# KiCad board C816Classic.kicad_pcb
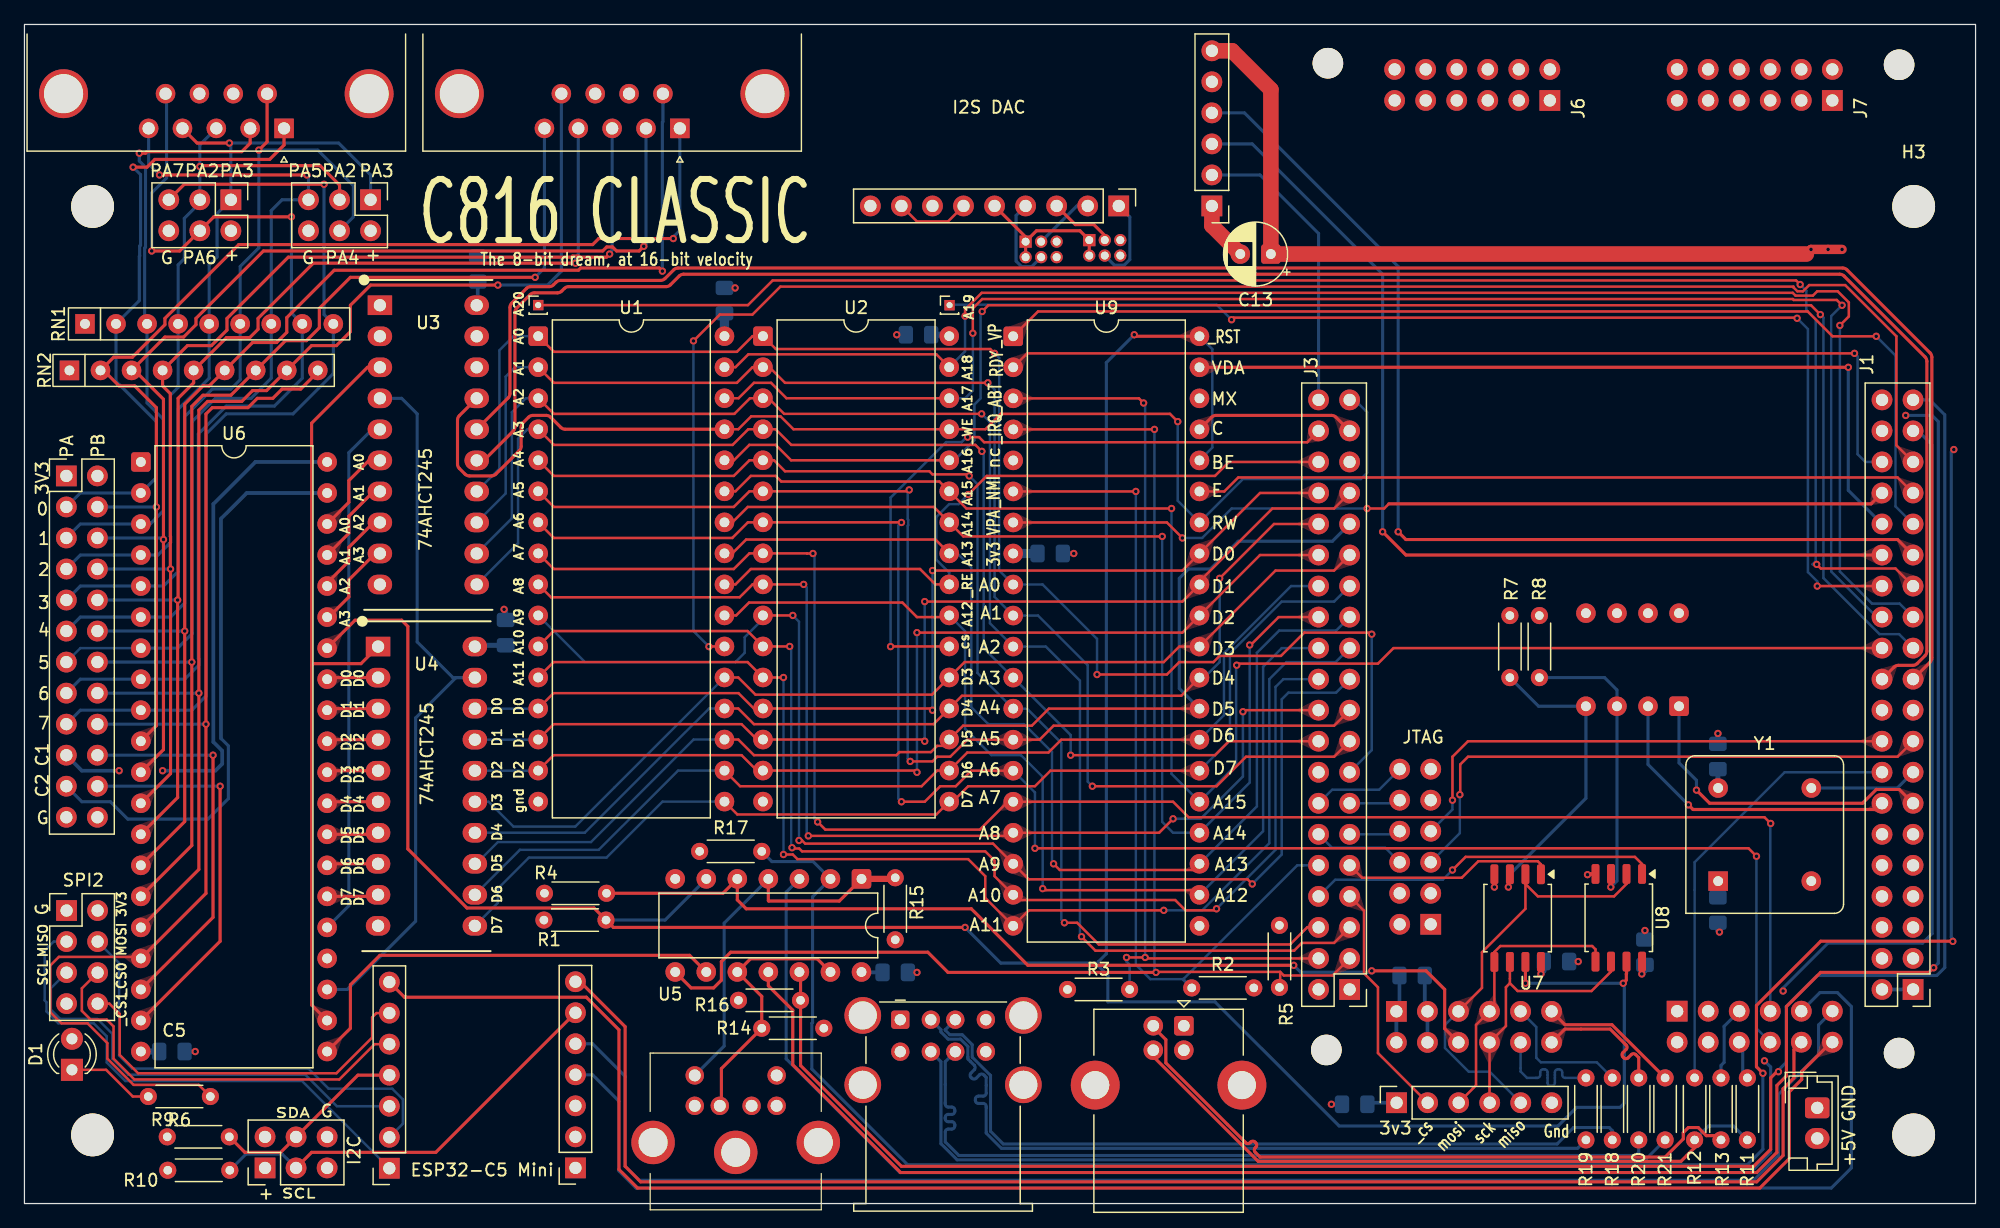
[diagram p0: board, top side]
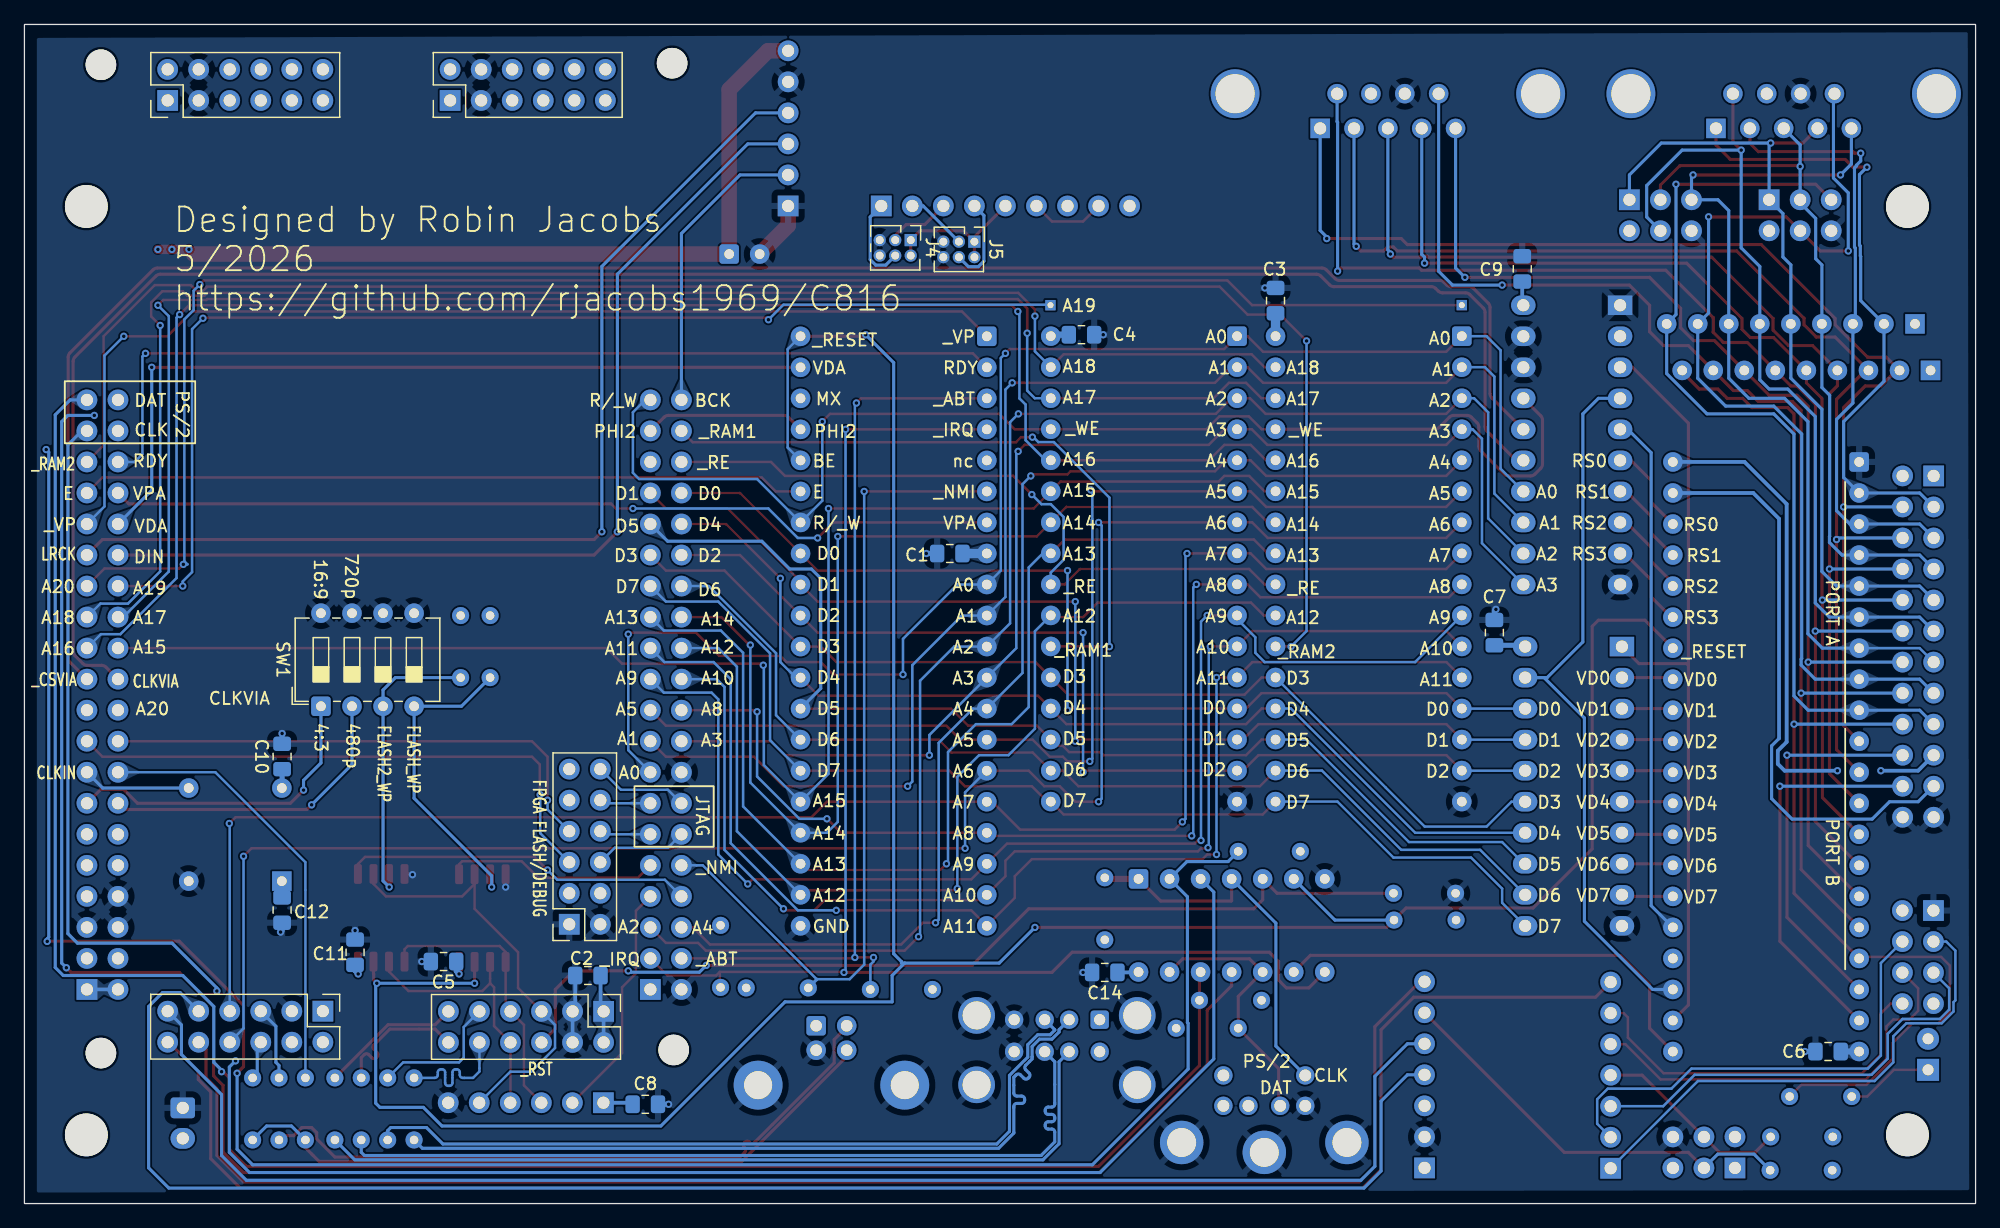
[diagram p1: board, bottom side, seen from below]

Outline 159.64 x 96.52 mm; copper layers: Top, In1.Cu, In2.Cu, Bottom. Coordinates in mm from the lower left corner of the outline.
Outline path: rectangle 0,96.52 159.64,0
Stack: Top 0.035mm / dielectric 0.1mm FR4 er 4.5 / In1.Cu 0.035mm / dielectric 1.24mm FR4 er 4.5 / In2.Cu 0.035mm / dielectric 0.1mm FR4 er 4.5 / Bottom 0.035mm

## Placement (name value [footprint] x y rotation side)
C1  100n  [C_0805_2012Metric_Pad1.18x1.45mm_HandSolder]  83.93 53.21 0 bottom
C2  100n  [C_0805_2012Metric_Pad1.18x1.45mm_HandSolder]  113.54 18.67 0 bottom
C3  100n  [C_0805_2012Metric_Pad1.18x1.45mm_HandSolder]  57.28 73.91 90 bottom
C4  100n  [C_0805_2012Metric_Pad1.18x1.45mm_HandSolder]  73.15 71.12 180 bottom
C5  100n  [C_0805_2012Metric_Pad1.18x1.45mm_HandSolder]  125.35 19.81 0 bottom
C6  100n  [C_0805_2012Metric_Pad1.18x1.45mm_HandSolder]  12.06 12.45 0 bottom
C7  100n  [C_0805_2012Metric_Pad1.18x1.45mm_HandSolder]  39.37 46.74 90 bottom
C8  100n  [C_0805_2012Metric_Pad1.18x1.45mm_HandSolder]  108.84 8.13 180 bottom
C9  100n  [C_0805_2012Metric_Pad1.18x1.45mm_HandSolder]  37.09 76.51 90 bottom
C10  100n  [C_0805_2012Metric_Pad1.18x1.45mm_HandSolder]  138.56 36.6 90 bottom
C11  100n  [C_0805_2012Metric_Pad1.18x1.45mm_HandSolder]  132.59 20.57 90 bottom
C12  100n  [C_0805_2012Metric_Pad1.18x1.45mm_HandSolder]  138.56 24.02 270 bottom
C13  C_Polarized  [CP_Radial_D5.0mm_P2.50mm]  101.98 77.72 180 top
C14  100n  [C_0805_2012Metric_Pad1.18x1.45mm_HandSolder]  71.25 18.92 0 bottom
D1  LED  [LED_D3.0mm_FlatTop]  3.89 10.95 90 top
H1  MountingHole  [MountingHole_3.5mm]  154.57 5.62 0 top
H2  MountingHole  [MountingHole_3.5mm]  5.58 81.62 0 top
H3  MountingHole  [MountingHole_3.5mm]  154.57 81.62 0 top
H4  MountingHole  [MountingHole_2.5mm]  106.52 12.57 90 top
H5  MountingHole  [MountingHole_2.5mm]  106.65 93.35 90 top
H6  MountingHole  [MountingHole_2.5mm]  153.38 12.32 90 top
H7  MountingHole  [MountingHole_2.5mm]  153.38 93.22 90 top
H8  MountingHole  [MountingHole_3.5mm]  5.58 5.62 0 top
J1  Conn_02x20_Odd_Even  [PinHeader_2x20_P2.54mm_Vertical]  154.53 17.53 180 top
J2  Conn_02x06_Odd_Even  [PinHeader_2x06_P2.54mm_Vertical]  112.25 15.73 270 bottom
J3  Conn_02x20_Odd_Even  [PinHeader_2x20_P2.54mm_Vertical]  108.43 17.53 180 top
J4  Conn_02x03_Odd_Even  [PinHeader_2x03_P1.27mm_Vertical]  87.12 78.87 270 bottom
J5  Conn_02x03_Odd_Even  [PinHeader_2x03_P1.27mm_Vertical]  81.92 78.74 270 bottom
J6  Conn_02x06_Odd_Even  [PinHeader_2x06_P2.54mm_Vertical]  124.81 90.3 90 bottom
J7  Conn_02x06_Odd_Even  [PinHeader_2x06_P2.54mm_Vertical]  147.92 90.3 90 bottom
J8  Conn_02x06_Odd_Even  [PinHeader_2x06_P2.54mm_Vertical]  135.22 15.75 270 bottom
J9  Conn_01x06_Socket  [PinHeader_1x06_P2.54mm_Vertical]  97.16 81.66 180 top
J10  Conn_01x09_Socket  [PinHeader_1x09_P2.54mm_Vertical]  89.54 81.66 270 top
J11  Conn_01x01_Pin  [PinHeader_1x01_P1.00mm_Vertical]  75.69 73.54 0 top
J12  Conn_01x01_Pin  [PinHeader_1x01_P1.00mm_Vertical]  42.04 73.54 0 top
J13  Conn_01x02  [JST_EH_B2B-EH-A_1x02_P2.50mm_Vertical]  146.69 7.83 270 top
J14  Conn_01x06_Pin  [PinSocket_1x06_P2.54mm_Vertical]  112.27 8.25 90 top
J15  Conn_02x12_Odd_Even  [PinHeader_2x12_P2.54mm_Vertical]  3.43 59.56 0 top
J16  Conn_01x07_Pin  [PinSocket_1x07_P2.54mm_Vertical]  29.86 2.89 180 top
J17  USB_B  [USB_B_Lumberg_2411_02_Horizontal]  94.86 14.55 270 top
J18  Conn_02x03_Odd_Even  [PinHeader_2x03_P2.54mm_Vertical]  19.69 2.92 90 top
J19  Conn_02x04_Odd_Even  [PinHeader_2x04_P2.54mm_Vertical]  3.45 23.99 0 top
J20  Conn_01x07_Pin  [PinSocket_1x07_P2.54mm_Vertical]  45.08 2.92 180 top
J21  Conn_02x03_Odd_Even  [PinHeader_2x03_P2.54mm_Vertical]  28.32 82.17 270 top
J22  Conn_02x03_Odd_Even  [PinHeader_2x03_P2.54mm_Vertical]  16.89 82.17 270 top
J23  DE9_Pins  [DSUB-9_Pins_Horizontal_P2.77x2.84mm_EdgePinOffset4.94mm_Housed_MountingHolesOffset4.94mm]  21.24 88.01 180 top
J24  DE9_Pins  [DSUB-9_Pins_Horizontal_P2.77x2.84mm_EdgePinOffset4.94mm_Housed_MountingHolesOffset4.94mm]  53.63 88.01 180 top
J25  5749265-1  [57492651]  56.89 8 180 top  (not fitted)
J26  Conn_02x06_Odd_Even  [PinSocket_2x06_P2.54mm_Vertical]  115.06 22.86 0 bottom
J27  USB_A_Stacked  [USB_A_Wuerth_61400826021_Horizontal_Stacked]  71.66 15.05 0 top
R1  10k  [R_Axial_DIN0204_L3.6mm_D1.6mm_P5.08mm_Horizontal]  47.63 25.4 180 top
R2  10k  [R_Axial_DIN0204_L3.6mm_D1.6mm_P5.08mm_Horizontal]  95.5 17.65 0 top
R3  10k  [R_Axial_DIN0204_L3.6mm_D1.6mm_P5.08mm_Horizontal]  90.42 17.53 180 top
R4  10k  [R_Axial_DIN0204_L3.6mm_D1.6mm_P5.08mm_Horizontal]  42.5 23.21 0 top
R5  10k  [R_Axial_DIN0204_L3.6mm_D1.6mm_P5.08mm_Horizontal]  102.68 22.77 270 top
R6  330  [R_Axial_DIN0204_L3.6mm_D1.6mm_P5.08mm_Horizontal]  15.21 8.76 180 top
R7  10k  [R_Axial_DIN0204_L3.6mm_D1.6mm_P5.08mm_Horizontal]  121.54 48.13 270 top
R8  10k  [R_Axial_DIN0204_L3.6mm_D1.6mm_P5.08mm_Horizontal]  123.95 48.13 270 top
R9  1k  [R_Axial_DIN0204_L3.6mm_D1.6mm_P5.08mm_Horizontal]  16.76 5.46 180 top
R10  1k  [R_Axial_DIN0204_L3.6mm_D1.6mm_P5.08mm_Horizontal]  16.81 2.73 180 top
R11  33  [R_Axial_DIN0204_L3.6mm_D1.6mm_P5.08mm_Horizontal]  140.97 10.29 270 top
R12  1K5  [R_Axial_DIN0204_L3.6mm_D1.6mm_P5.08mm_Horizontal]  136.65 10.29 270 top
R13  33  [R_Axial_DIN0204_L3.6mm_D1.6mm_P5.08mm_Horizontal]  138.81 10.29 270 top
R14  3k3  [R_Axial_DIN0204_L3.6mm_D1.6mm_P5.08mm_Horizontal]  60.33 14.35 0 top
R15  3k3  [R_Axial_DIN0204_L3.6mm_D1.6mm_P5.08mm_Horizontal]  71.25 21.59 90 top
R16  1k  [R_Axial_DIN0204_L3.6mm_D1.6mm_P5.08mm_Horizontal]  63.5 16.64 180 top
R17  1k  [R_Axial_DIN0204_L3.6mm_D1.6mm_P5.08mm_Horizontal]  55.24 28.83 0 top
R18  33  [R_Axial_DIN0204_L3.6mm_D1.6mm_P5.08mm_Horizontal]  129.92 10.29 270 top
R19  33  [R_Axial_DIN0204_L3.6mm_D1.6mm_P5.08mm_Horizontal]  127.76 10.29 270 top
R20  33  [R_Axial_DIN0204_L3.6mm_D1.6mm_P5.08mm_Horizontal]  132.08 10.29 270 top
R21  33  [R_Axial_DIN0204_L3.6mm_D1.6mm_P5.08mm_Horizontal]  134.24 10.29 270 top
RN1  R_Network08  [R_Array_SIP9]  4.95 72.01 0 top
RN2  R_Network08  [R_Array_SIP9]  3.68 68.2 0 top
SW1  SW_DIP_x04  [SW_DIP_SPSTx04_Slide_6.7x11.72mm_W7.62mm_P2.54mm_LowProfile]  135.38 40.71 90 bottom
U1  AS6C4008-55PCN  [DIP-32_W15.24mm]  42.04 71 0 top
U2  AS6C4008-55PCN  [DIP-32_W15.24mm]  60.43 71 0 top
U3  74AHCT245  [DIP-20_TI-N]  33.04 62.1 270 top
U4  74AHCT245  [DIP-20_TI-N]  32.89 34.16 270 top
U5  SN74LS07N  [DIP-14_W7.62mm]  68.49 26.58 270 top
U6  W65C22NxP  [DIP-40_W15.24mm]  9.53 60.71 0 top
U7  W25Q128JVS  [SOIC-8_5.3x5.3mm_P1.27mm]  122.17 23.37 270 top
U8  W25Q128JVS  [SOIC-8_5.3x5.3mm_P1.27mm]  130.45 23.39 270 top
U9  W65C816SxP  [DIP-40_W15.24mm]  80.9 70.99 0 top
Y1  CXO_DIP8  [Oscillator_DIP-8]  138.58 26.4 0 top

## Library data of the parts
C1-C12 C14 = -: Description: Unpolarized capacitor; KiLib_Generator: SMD_2terminal_chip_molded; ki_fp_filters: C_*
C13 = -: Description: Polarized capacitor; KiLib_Generator: capacitor/THT/other; ki_fp_filters: CP_*
D1 = -: Description: Light emitting diode; KiLib_Generator: LED/THT; Sim.Pins: 1=K 2=A; ki_fp_filters: LED* LED_SMD:* LED_THT:*
H1-H8 = -: Description: Mounting Hole without connection; KiLib_Generator: mounting_hardware/mounting_hole; ki_fp_filters: MountingHole*
J1 J3 = -: Description: Generic connector, double row, 02x20, odd/even pin numbering scheme (row 1 odd numbers, row 2 even numbers), script generated (kicad-library-utils/schlib/autogen/connector/); KiLib_Generator: connector/pin_header_socket; ki_fp_filters: Connector*:*_2x??_*
J2 J6-J8 J26 = -: Description: Generic connector, double row, 02x06, odd/even pin numbering scheme (row 1 odd numbers, row 2 even numbers), script generated (kicad-library-utils/schlib/autogen/connector/); KiLib_Generator: connector/pin_header_socket; ki_fp_filters: Connector*:*_2x??_*
J4 J5 J18 J21 J22 = -: Description: Generic connector, double row, 02x03, odd/even pin numbering scheme (row 1 odd numbers, row 2 even numbers), script generated (kicad-library-utils/schlib/autogen/connector/); KiLib_Generator: connector/pin_header_socket; ki_fp_filters: Connector*:*_2x??_*
J9 J14 = -: Description: Generic connector, single row, 01x06, script generated; KiLib_Generator: connector/pin_header_socket; ki_fp_filters: Connector*:*_1x??_*
J10 = -: Description: Generic connector, single row, 01x09, script generated; KiLib_Generator: connector/pin_header_socket; ki_fp_filters: Connector*:*_1x??_*
J11 J12 = -: Description: Generic connector, single row, 01x01, script generated; KiLib_Generator: connector/pin_header_socket; ki_fp_filters: Connector*:*_1x??_*
J13 = -: Description: Generic connector, single row, 01x02, script generated (kicad-library-utils/schlib/autogen/connector/); KiLib_Generator: connector/JST; ki_fp_filters: Connector*:*_1x??_*
J15 = -: Description: Generic connector, double row, 02x12, odd/even pin numbering scheme (row 1 odd numbers, row 2 even numbers), script generated (kicad-library-utils/schlib/autogen/connector/); KiLib_Generator: connector/pin_header_socket; ki_fp_filters: Connector*:*_2x??_*
J16 J20 = -: Description: Generic connector, single row, 01x07, script generated; KiLib_Generator: connector/pin_header_socket; ki_fp_filters: Connector*:*_1x??_*
J17 = -: Description: USB Type B connector; ki_fp_filters: USB*
J19 = -: Description: Generic connector, double row, 02x04, odd/even pin numbering scheme (row 1 odd numbers, row 2 even numbers), script generated (kicad-library-utils/schlib/autogen/connector/); KiLib_Generator: connector/pin_header_socket; ki_fp_filters: Connector*:*_2x??_*
J23 J24 = -: Description: 9-pin D-SUB connector, pins (male); KiLib_Generator: connector/D_sub; ki_fp_filters: DSUB*Pins*
J25 = -: Datasheet: https://www.te.com/commerce/DocumentDelivery/DDEController?Action=showdoc&DocId=Customer+Drawing%7F5749265%7FP%7Fpdf%7FEnglish%7FENG_CD_5749265_P.pdf%7F5749265-1; Description: Body Features: Shield Plating Finish Bright | Primary Product Color Black | Shield Plating Material Tin | Shield Material Copper Alloy | Panel Ground Feature Type None | Configuration Features: Number of Positions 6 | PCB Mount Orientation Right Angle | Connector Contact Load Condition Fully Loaded | Contact Features: Contact Base Material Copper Alloy | Contact Underplating Material Thickness 50 MICIN | Contact Underplating Material Nickel | PCB Contact Termination Area Plating Material Thickness 3.05 MICM; Height: 13; Mouser Part Number: 571-5749265-1; Mouser Price/Stock: https://www.mouser.co.uk/ProductDetail/TE-Connectivity/5749265-1?qs=XlZqES4cpWYElOV%2FYDAlWw%3D%3D; Manufacturer_Name: TE Connectivity
J27 = -: Description: USB Type A connector, stacked; ki_fp_filters: USB*
R1-R21 = -: Description: Resistor; KiLib_Generator: resistor/THT; ki_fp_filters: R_*
RN1 RN2 = -: Datasheet: http://www.vishay.com/docs/31509/csc.pdf; Description: 8 resistor network, star topology, bussed resistors, small symbol; KiLib_Generator: resistor/array_SIP_THT; ki_fp_filters: R?Array?SIP*
SW1 = -: Description: 4x DIP Switch, Single Pole Single Throw (SPST) switch, small symbol; KiLib_Generator: button_switch/DIP; ki_fp_filters: SW?DIP?x4*
U1 U2 = -: Datasheet: https://www.alliancememory.com/wp-content/uploads/pdf/AS6C4008.pdf; Description: 512K x 8 Low Power CMOS RAM, DIP-32; KiLib_Generator: package/DIP/legacy; ki_fp_filters: DIP*W15.24mm*
U3 U4 = -: Datasheet: http://www.ti.com/lit/gpn/sn74HC245; Description: Octal BUS Transceivers, 3-State outputs; ki_fp_filters: DIP?20*
U5 = -: Datasheet: www.ti.com/lit/ds/symlink/sn74ls07.pdf; Description: Hex Buffers and Drivers With Open Collector High Voltage Outputs; KiLib_Generator: package/DIP/legacy; ki_fp_filters: SOIC*3.9x8.7mm*P1.27mm* TSSOP*4.4x5mm*P0.65mm* DIP*W7.62mm*
U6 = -: Datasheet: http://www.westerndesigncenter.com/wdc/documentation/w65c22.pdf; Description: CMOS Versatile Interface Adapter (VIA), 20-pin I/O, 2 Timer/Counters, NMOS-Compatible, DIP-40; KiLib_Generator: package/DIP/legacy; ki_fp_filters: DIP*W15.24mm*
U7 U8 = -: Datasheet: https://www.winbond.com/resource-files/w25q128jv_dtr%20revc%2003272018%20plus.pdf; Description: 128Mbit / 16MiB Serial Flash Memory, Standard/Dual/Quad SPI, 2.7-3.6V, SOIC-8; KiLib_Generator: package/gullwing; ki_fp_filters: *SOIC*5.3x5.3mm*P1.27mm*
U9 = -: Datasheet: http://www.westerndesigncenter.com/wdc/documentation/w65c816s.pdf; Description: 8/16-bit CMOS General Purpose Microprocessor, DIP-40; KiLib_Generator: package/DIP/legacy; ki_fp_filters: DIP*W15.24mm*
Y1 = -: Datasheet: http://cdn-reichelt.de/documents/datenblatt/B400/OSZI.pdf; Description: Crystal Clock Oscillator, DIP8-style metal package; ki_fp_filters: Oscillator*DIP*8*

## Footprints (pads in the part's own frame, mm; a bottom-side part is the same pattern mirrored in y, then rotated)
57492651
  round 1.509 hole 0.97: 1(0,0) 2(-2.6,0) 3(2.05,0) 4(-4.65,0) 5(2.05,-2.49) 6(-4.65,-2.49)
  round 3.555 hole 2.37: 7(-1.3,3.81) 8(-8.06,3) 9(5.46,3)
C_0805_2012Metric_Pad1.18x1.45mm_HandSolder
  rrect 1.175x1.45 smd: 1(-1.038,0) 2(1.038,0)
CP_Radial_D5.0mm_P2.50mm
  rrect 1.6x1.6 hole 0.8: 1(0,0)
  round 1.6 hole 0.8: 2(2.5,0)
DIP-14_W7.62mm
  rrect 1.6x1.6 hole 0.8: 1(0,0)
  round 1.6 hole 0.8: 2(0,-2.54) 3(0,-5.08) 4(0,-7.62) 5(0,-10.16) 6(0,-12.7) 7(0,-15.24) 8(7.62,-15.24) 9(7.62,-12.7) 10(7.62,-10.16) 11(7.62,-7.62) 12(7.62,-5.08) 13(7.62,-2.54) 14(7.62,0)
DIP-20_TI-N
  rect 1.6x2 hole 1: 1(-11.43,-3.96)
  oval 1.6x2 hole 1: 2(-8.89,-3.96) 3(-6.35,-3.96) 4(-3.81,-3.96) 5(-1.27,-3.96) 6(1.27,-3.96) 7(3.81,-3.96) 8(6.35,-3.96) 9(8.89,-3.96) 10(11.43,-3.96) 11(11.43,3.96) 12(8.89,3.96) 13(6.35,3.96) 14(3.81,3.96) 15(1.27,3.96) 16(-1.27,3.96) 17(-3.81,3.96) 18(-6.35,3.96) 19(-8.89,3.96) 20(-11.43,3.96)
DIP-32_W15.24mm
  rrect 1.6x1.6 hole 0.8: 1(0,0)
  round 1.6 hole 0.8: 2(0,-2.54) 3(0,-5.08) 4(0,-7.62) 5(0,-10.16) 6(0,-12.7) 7(0,-15.24) 8(0,-17.78) 9(0,-20.32) 10(0,-22.86) 11(0,-25.4) 12(0,-27.94) 13(0,-30.48) 14(0,-33.02) 15(0,-35.56) 16(0,-38.1) 17(15.24,-38.1) 18(15.24,-35.56) 19(15.24,-33.02) 20(15.24,-30.48) 21(15.24,-27.94) 22(15.24,-25.4) 23(15.24,-22.86) 24(15.24,-20.32) 25(15.24,-17.78) 26(15.24,-15.24) 27(15.24,-12.7) 28(15.24,-10.16) 29(15.24,-7.62) 30(15.24,-5.08) 31(15.24,-2.54) 32(15.24,0)
DIP-40_W15.24mm
  rrect 1.6x1.6 hole 0.8: 1(0,0)
  round 1.6 hole 0.8: 2(0,-2.54) 3(0,-5.08) 4(0,-7.62) 5(0,-10.16) 6(0,-12.7) 7(0,-15.24) 8(0,-17.78) 9(0,-20.32) 10(0,-22.86) 11(0,-25.4) 12(0,-27.94) 13(0,-30.48) 14(0,-33.02) 15(0,-35.56) 16(0,-38.1) 17(0,-40.64) 18(0,-43.18) 19(0,-45.72) 20(0,-48.26) 21(15.24,-48.26) 22(15.24,-45.72) 23(15.24,-43.18) 24(15.24,-40.64) 25(15.24,-38.1) 26(15.24,-35.56) 27(15.24,-33.02) 28(15.24,-30.48) 29(15.24,-27.94) 30(15.24,-25.4) 31(15.24,-22.86) 32(15.24,-20.32) 33(15.24,-17.78) 34(15.24,-15.24) 35(15.24,-12.7) 36(15.24,-10.16) 37(15.24,-7.62) 38(15.24,-5.08) 39(15.24,-2.54) 40(15.24,0)
DSUB-9_Pins_Horizontal_P2.77x2.84mm_EdgePinOffset4.94mm_Housed_MountingHolesOffset4.94mm
  rect 1.6x1.6 hole 1: 1(0,0)
  round 1.6 hole 1: 2(2.77,0) 3(5.54,0) 4(8.31,0) 5(11.08,0) 6(1.385,-2.84) 7(4.155,-2.84) 8(6.925,-2.84) 9(9.695,-2.84)
  round 4 hole 3.2: SH(-6.96,-2.84) SH(18.04,-2.84)
JST_EH_B2B-EH-A_1x02_P2.50mm_Vertical
  rrect 1.7x2 hole 1: 1(0,0)
  oval 1.7x2 hole 1: 2(2.5,0)
LED_D3.0mm_FlatTop
  rect 1.8x1.8 hole 0.9: 1(0,0)
  round 1.8 hole 0.9: 2(2.54,0)
MountingHole_2.5mm
  round 2.5 hole 2.5 unplated: (0,0)
MountingHole_3.5mm
  round 3.5 hole 3.5 unplated: (0,0)
Oscillator_DIP-8
  rect 1.6x1.6 hole 0.8: 1(0,0)
  round 1.6 hole 0.8: 4(7.62,0) 5(7.62,7.62) 8(0,7.62)
PinHeader_1x01_P1.00mm_Vertical
  rect 0.85x0.85 hole 0.5: 1(0,0)
PinHeader_1x06_P2.54mm_Vertical
  rect 1.7x1.7 hole 1: 1(0,0)
  round 1.7 hole 1: 2(0,-2.54) 3(0,-5.08) 4(0,-7.62) 5(0,-10.16) 6(0,-12.7)
PinHeader_1x09_P2.54mm_Vertical
  rect 1.7x1.7 hole 1: 1(0,0)
  round 1.7 hole 1: 2(0,-2.54) 3(0,-5.08) 4(0,-7.62) 5(0,-10.16) 6(0,-12.7) 7(0,-15.24) 8(0,-17.78) 9(0,-20.32)
PinHeader_2x03_P1.27mm_Vertical
  rect 1x1 hole 0.65: 1(0,0)
  round 1 hole 0.65: 2(1.27,0) 3(0,-1.27) 4(1.27,-1.27) 5(0,-2.54) 6(1.27,-2.54)
PinHeader_2x03_P2.54mm_Vertical
  rect 1.7x1.7 hole 1: 1(0,0)
  round 1.7 hole 1: 2(2.54,0) 3(0,-2.54) 4(2.54,-2.54) 5(0,-5.08) 6(2.54,-5.08)
PinHeader_2x04_P2.54mm_Vertical
  rect 1.7x1.7 hole 1: 1(0,0)
  round 1.7 hole 1: 2(2.54,0) 3(0,-2.54) 4(2.54,-2.54) 5(0,-5.08) 6(2.54,-5.08) 7(0,-7.62) 8(2.54,-7.62)
PinHeader_2x06_P2.54mm_Vertical
  rect 1.7x1.7 hole 1: 1(0,0)
  round 1.7 hole 1: 2(2.54,0) 3(0,-2.54) 4(2.54,-2.54) 5(0,-5.08) 6(2.54,-5.08) 7(0,-7.62) 8(2.54,-7.62) 9(0,-10.16) 10(2.54,-10.16) 11(0,-12.7) 12(2.54,-12.7)
PinHeader_2x12_P2.54mm_Vertical
  rect 1.7x1.7 hole 1: 1(0,0)
  round 1.7 hole 1: 2(2.54,0) 3(0,-2.54) 4(2.54,-2.54) 5(0,-5.08) 6(2.54,-5.08) 7(0,-7.62) 8(2.54,-7.62) 9(0,-10.16) 10(2.54,-10.16) 11(0,-12.7) 12(2.54,-12.7) 13(0,-15.24) 14(2.54,-15.24) 15(0,-17.78) 16(2.54,-17.78) 17(0,-20.32) 18(2.54,-20.32) 19(0,-22.86) 20(2.54,-22.86) 21(0,-25.4) 22(2.54,-25.4) 23(0,-27.94) 24(2.54,-27.94)
PinHeader_2x20_P2.54mm_Vertical
  rect 1.7x1.7 hole 1: 1(0,0)
  round 1.7 hole 1: 2(2.54,0) 3(0,-2.54) 4(2.54,-2.54) 5(0,-5.08) 6(2.54,-5.08) 7(0,-7.62) 8(2.54,-7.62) 9(0,-10.16) 10(2.54,-10.16) 11(0,-12.7) 12(2.54,-12.7) 13(0,-15.24) 14(2.54,-15.24) 15(0,-17.78) 16(2.54,-17.78) 17(0,-20.32) 18(2.54,-20.32) 19(0,-22.86) 20(2.54,-22.86) 21(0,-25.4) 22(2.54,-25.4) 23(0,-27.94) 24(2.54,-27.94) 25(0,-30.48) 26(2.54,-30.48) 27(0,-33.02) 28(2.54,-33.02) 29(0,-35.56) 30(2.54,-35.56) 31(0,-38.1) 32(2.54,-38.1) 33(0,-40.64) 34(2.54,-40.64) 35(0,-43.18) 36(2.54,-43.18) 37(0,-45.72) 38(2.54,-45.72) 39(0,-48.26) 40(2.54,-48.26)
PinSocket_1x06_P2.54mm_Vertical
  rect 1.7x1.7 hole 1: 1(0,0)
  round 1.7 hole 1: 2(0,-2.54) 3(0,-5.08) 4(0,-7.62) 5(0,-10.16) 6(0,-12.7)
PinSocket_1x07_P2.54mm_Vertical
  rect 1.7x1.7 hole 1: 1(0,0)
  round 1.7 hole 1: 2(0,-2.54) 3(0,-5.08) 4(0,-7.62) 5(0,-10.16) 6(0,-12.7) 7(0,-15.24)
PinSocket_2x06_P2.54mm_Vertical
  rect 1.7x1.7 hole 1: 1(0,0)
  round 1.7 hole 1: 2(-2.54,0) 3(0,-2.54) 4(-2.54,-2.54) 5(0,-5.08) 6(-2.54,-5.08) 7(0,-7.62) 8(-2.54,-7.62) 9(0,-10.16) 10(-2.54,-10.16) 11(0,-12.7) 12(-2.54,-12.7)
R_Array_SIP9
  rect 1.6x1.6 hole 0.8: 1(0,0)
  round 1.6 hole 0.8: 2(2.54,0) 3(5.08,0) 4(7.62,0) 5(10.16,0) 6(12.7,0) 7(15.24,0) 8(17.78,0) 9(20.32,0)
R_Axial_DIN0204_L3.6mm_D1.6mm_P5.08mm_Horizontal
  round 1.4 hole 0.7: 1(0,0) 2(5.08,0)
SOIC-8_5.3x5.3mm_P1.27mm
  rrect 1.625x0.65 smd: 1(-3.587,1.905) 2(-3.587,0.635) 3(-3.587,-0.635) 4(-3.587,-1.905) 5(3.587,-1.905) 6(3.587,-0.635) 7(3.587,0.635) 8(3.587,1.905)
SW_DIP_SPSTx04_Slide_6.7x11.72mm_W7.62mm_P2.54mm_LowProfile
  rrect 1.6x1.6 hole 0.8: 1(0,0)
  round 1.6 hole 0.8: 2(0,-2.54) 3(0,-5.08) 4(0,-7.62) 5(7.62,-7.62) 6(7.62,-5.08) 7(7.62,-2.54) 8(7.62,0)
USB_A_Wuerth_61400826021_Horizontal_Stacked
  rrect 1.5x1.5 hole 0.92: 1(0,0)
  round 1.5 hole 0.92: 2(2.5,0) 3(4.5,0) 4(7,0) 5(0,-2.62) 6(2.5,-2.62) 7(4.5,-2.62) 8(7,-2.62)
  round 3 hole 2.3: SH(-3.07,0.35) SH(-3.07,-5.33) SH(10.07,0.35) SH(10.07,-5.33)
USB_B_Lumberg_2411_02_Horizontal
  rrect 1.6x1.6 hole 0.95: 1(0,0)
  round 1.6 hole 0.95: 2(0,-2.5) 3(2,-2.5) 4(2,0)
  round 4 hole 2.3: SH(4.86,4.75) SH(4.86,-7.25)
